# KiCad board panel.kicad_pcb (continued)
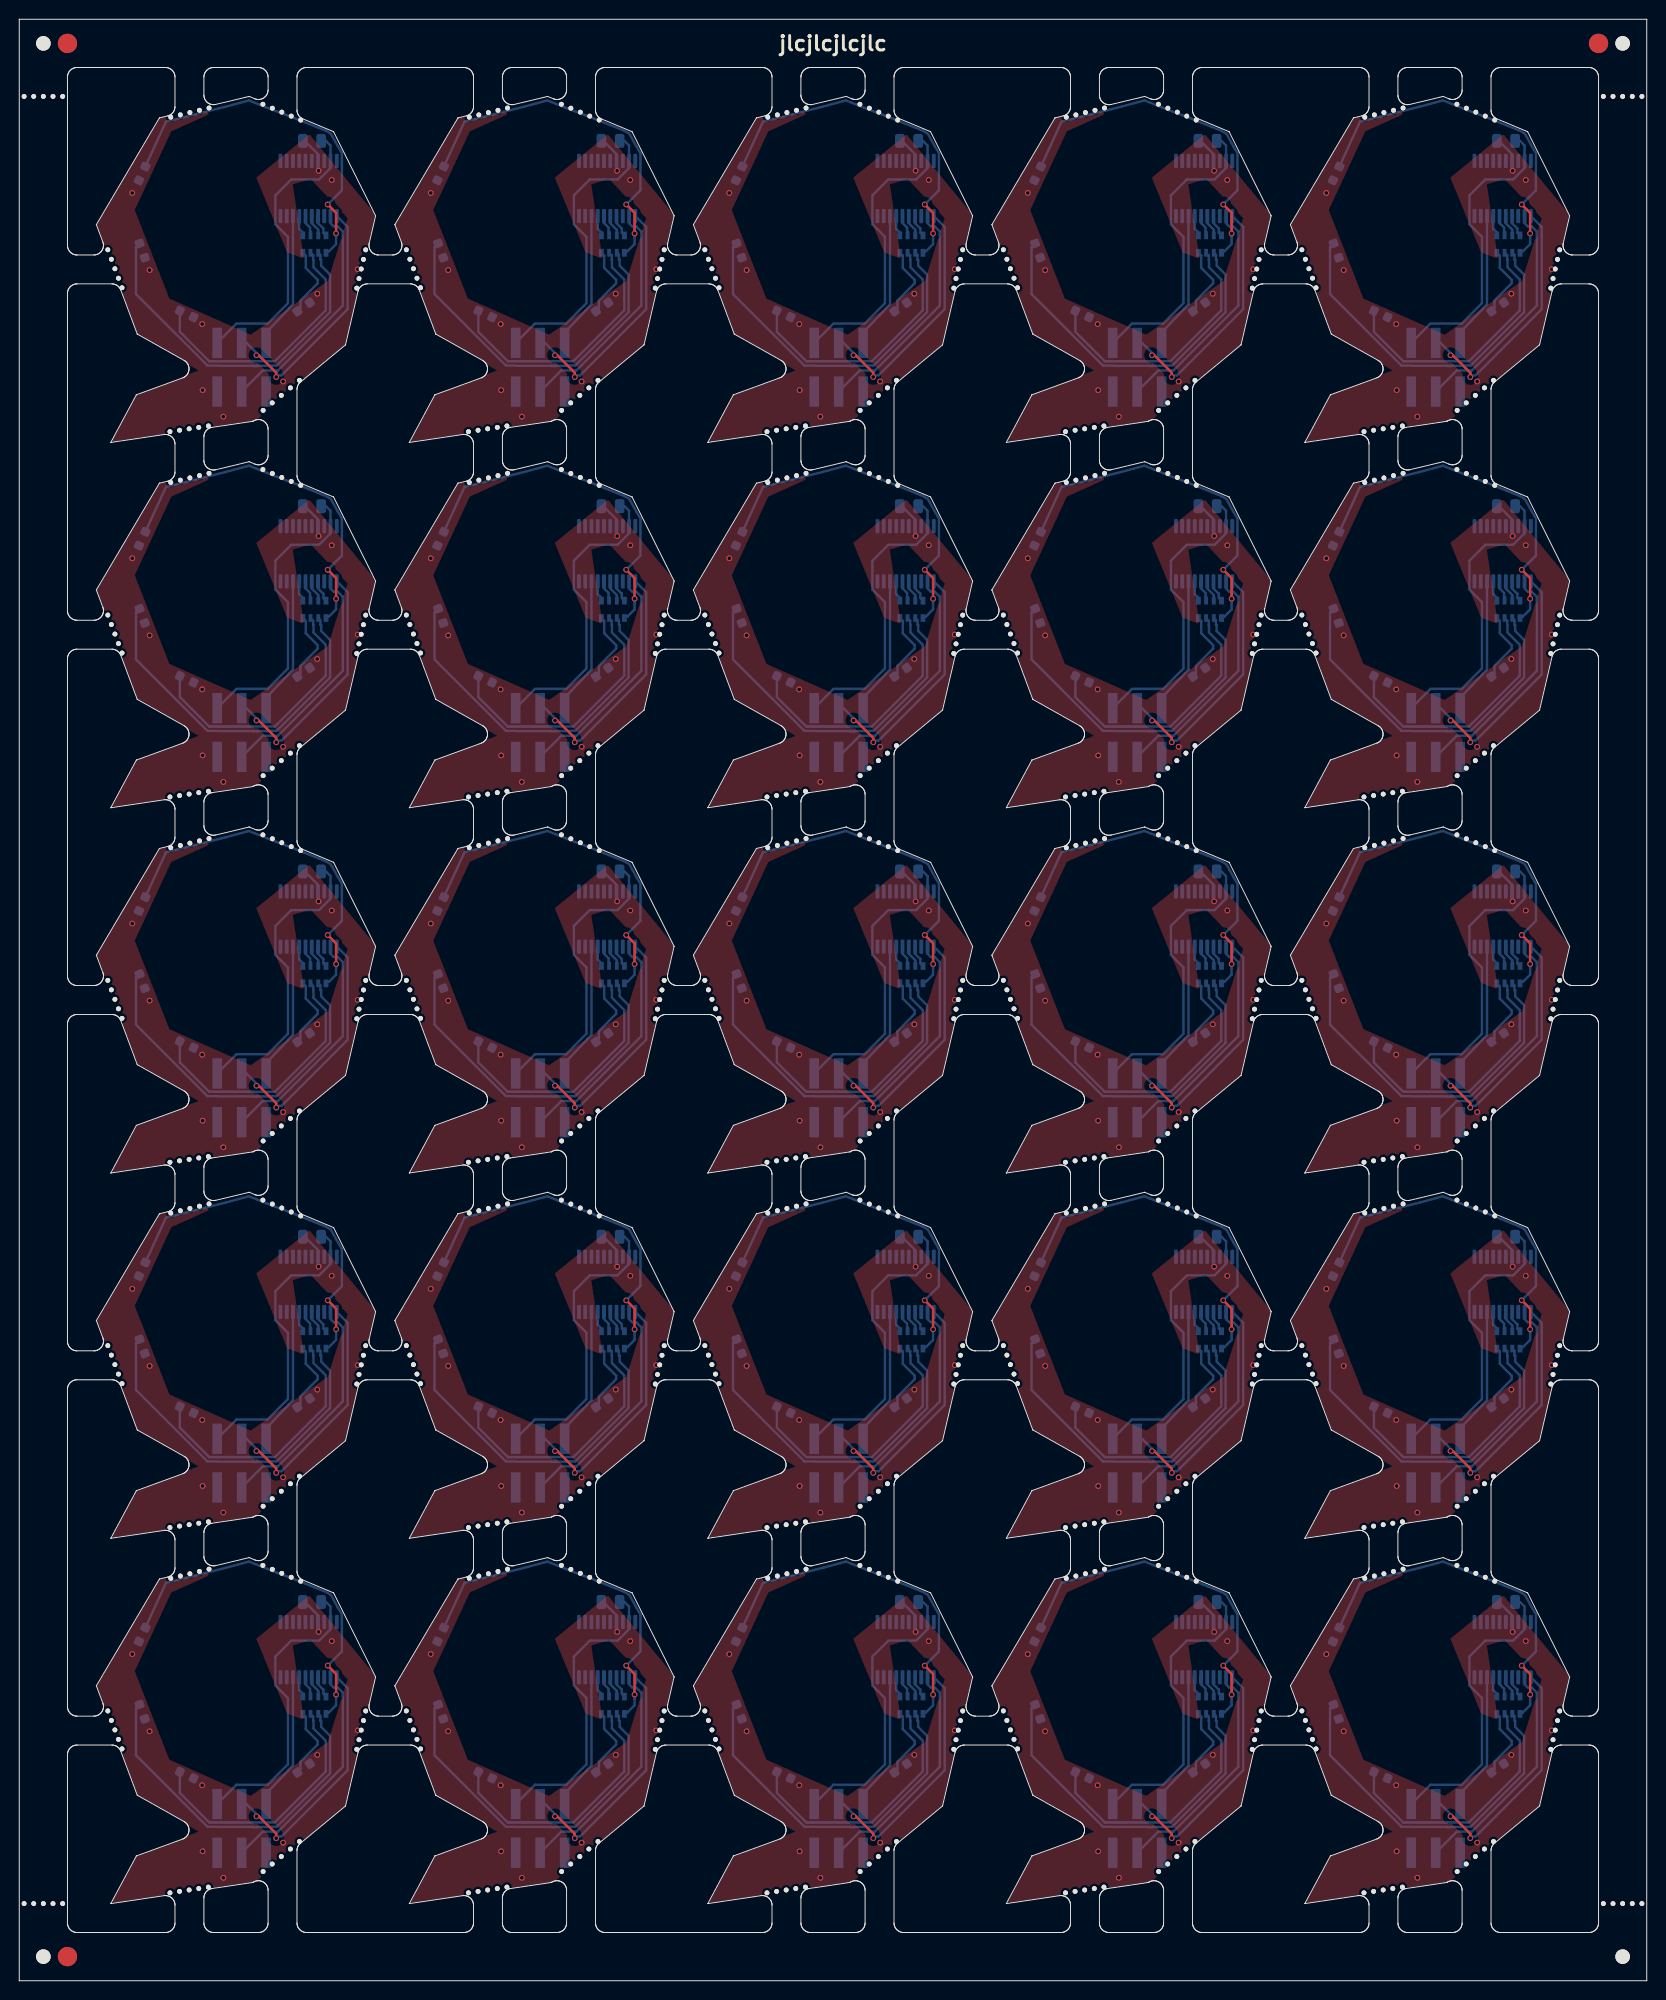
[diagram p0: board, top side]
## Routing (per net, layer and track width the routed paths; a pad name or vN(x,y) marks a point on that pad's centre or on a via; arc(x,y) is an arc through that point) (continued)
Board_9-Net-(D6-A): length 31.9
  Bottom w0.25: RN1#9.3 154.41,141.06 154.41,140.61 154.44,140.61 154.44,139.83 155.71,138.56 155.71,135.36 150.44,130.08 148.14,130.08 ; 148.14,130.08 143.62,130.08 ; 148.14,130.08 143.62,130.08 ; 143.62,130.08 140.57,133.13 D6#13.2
Board_9-Net-(D8-A): length 7.6
  Bottom w0.25: RN1#9.4 153.64,141.03 153.64,139.76 154.87,138.52 154.87,138.16 153.08,136.36 153.08,135.57 D8#23.2
Board_9-SCL: length 24.2
  Bottom w0.25: U1#18.12 156.21,144.39 156.54,144.07 156.95,144.07 157.49,143.53 157.49,135.86 150.75,129.12 149.18,129.12 J1#21.4
Board_9-SDA: length 27
  Top w0.25: v1(150.58,128.45) 150.58,128.89 148.76,130.71 v1(148.53,130.71)
  Bottom w0.25: v1(150.58,128.45) 150.75,128.62 151.12,128.62 157.99,135.48 157.99,144.01 U1#18.11 ; 146.99,133.06 J1#21.3 147.49,131.98 148.53,130.94 v1(148.53,130.71)
Board_9-SWIO: length 14.3
  Bottom w0.25: J1#21.5 149.53,133.06 151.84,135.48 151.9,135.57 152.31,135.98 U1#18.18
Board_9-VCC: length 31.2
  Bottom w0.25: J1#21.1 146.45,133.98 149.67,133.98 151.79,136.1 151.79,142.98 150.49,144.28 150.49,147.28 152.14,148.93 155.02,148.93 156.21,150.12 U1#18.9 156.21,152.46 155.74,152.93 C1#13.2
Board_9-VSS: length 3.9
  Bottom w0.25: v1(154.97,149.83) 154.91,149.9 U1#18.7 154.91,151.56 153.54,152.93 C1#13.1
  vias: v1(135.64,147.53) v1(137.44,139.53) v1(142.89,133.93) v1(142.94,127.08) v1(145.09,124.33) v1(151.29,127.98) v1(154.84,137.08) v1(156.34,148.88) v1(159.04,139.62)
Board_10-A: length 2.4
  Bottom w0.25: U1#9.14 31,106.51 31.54,105.97 31.55,105.97 31.55,105.52 RN1#24.8
Board_10-B: length 2.3
  Bottom w0.25: RN1#24.7 31.03,105.83 30.35,106.51 U1#9.15
Board_10-C: length 2.2
  Bottom w0.25: U1#9.16 29.7,106.52 30.18,106.05 30.18,105.7 30.23,105.65 RN1#24.6
Board_10-D: length 2.2
  Bottom w0.25: RN1#24.5 29.43,105.55 29.05,105.92 U1#9.17
Board_10-Net-(D2-A): length 37.3
  Top w0.25: v1(32.88,105.45) 32.88,107.58 v1(32.01,108.45)
  Bottom w0.25: v1(32.88,105.45) 32.88,104.35 32.13,103.6 31.98,103.6 RN1#24.1 ; v1(32.01,108.45) 33.48,109.92 33.48,113.79 33.08,114.45 32.33,115.8 31.82,116.1 28.33,117.5 26.33,118.25 23.83,119.25 21.43,118.6 15.23,117.05 D2#17.2
Board_10-Net-(D4-A): length 37.6
  Bottom w0.25: RN1#24.2 31.25,103.22 31.25,102.72 31.33,102.72 31.33,102.1 32.25,101.17 32.25,97.28 26.71,91.74 25.75,91.74 25.73,91.72 24.69,91.72 24.66,91.7 24.29,91.7 24.27,91.72 20.63,91.72 ; 20.58,91.74 19.52,91.74 12.11,99.15 12.11,104.04 D4#9.2
Board_10-Net-(D6-A): length 31.9
  Bottom w0.25: 24.23,92.19 19.71,92.19 ; 24.23,92.19 26.53,92.19 31.8,97.47 31.8,100.67 30.53,101.95 30.53,102.72 30.5,102.72 30.5,103.17 RN1#24.3 ; 24.23,92.19 19.71,92.19 ; 19.71,92.19 16.66,95.24 D6#8.2
Board_10-Net-(D8-A): length 7.6
  Bottom w0.25: D8#13.2 29.17,97.68 29.17,98.48 30.96,100.27 30.96,100.63 29.73,101.87 29.73,103.15 RN1#24.4
Board_10-SCL: length 24.2
  Bottom w0.25: U1#9.12 32.3,106.51 32.63,106.18 33.04,106.18 33.58,105.65 33.58,97.97 26.84,91.23 25.27,91.23 J1#18.4
Board_10-SDA: length 27
  Top w0.25: v1(26.67,90.56) 26.67,91.01 24.85,92.82 v1(24.62,92.82)
  Bottom w0.25: U1#9.11 34.08,106.12 34.08,97.6 27.21,90.73 26.84,90.73 v1(26.67,90.56) ; 23.08,95.17 J1#18.3 23.58,94.1 24.62,93.06 v1(24.62,92.82)
Board_10-SWIO: length 14.3
  Bottom w0.25: J1#18.5 25.62,95.17 27.93,97.6 27.99,97.68 28.4,98.1 U1#9.18
Board_10-VCC: length 31.2
  Bottom w0.25: C1#22.2 31.83,115.05 32.3,114.57 U1#9.9 32.3,112.23 31.11,111.05 28.23,111.05 26.58,109.39 26.58,106.4 27.88,105.1 27.88,98.21 25.76,96.1 22.54,96.1 J1#18.1
Board_10-VSS: length 3.9
  Bottom w0.25: v1(31.06,111.95) 31,112.01 U1#9.7 31,113.67 29.63,115.05 C1#22.1
  vias: v1(11.73,109.65) v1(13.53,101.65) v1(18.98,96.05) v1(19.03,89.2) v1(21.18,86.45) v1(27.38,90.1) v1(30.93,99.2) v1(32.43,111) v1(35.13,101.74)
Board_11-A: length 2.4
  Bottom w0.25: U1#22.14 61.98,106.51 62.52,105.97 62.53,105.97 62.53,105.52 RN1#14.8
Board_11-B: length 2.3
  Bottom w0.25: RN1#14.7 62,105.83 61.33,106.51 U1#22.15
Board_11-C: length 2.2
  Bottom w0.25: RN1#14.6 61.2,105.65 61.15,105.7 61.15,106.05 60.68,106.52 U1#22.16
Board_11-D: length 2.2
  Bottom w0.25: U1#22.17 60.03,105.92 60.4,105.55 RN1#14.5
Board_11-Net-(D2-A): length 37.3
  Top w0.25: v1(62.99,108.45) 63.85,107.58 v1(63.85,105.45)
  Bottom w0.25: v1(63.85,105.45) 63.85,104.35 63.1,103.6 62.95,103.6 RN1#14.1 ; v1(62.99,108.45) 64.46,109.92 64.46,113.79 64.05,114.45 63.3,115.8 62.8,116.1 59.3,117.5 57.3,118.25 54.8,119.25 52.4,118.6 46.2,117.05 D2#2.2
Board_11-Net-(D4-A): length 37.6
  Bottom w0.25: RN1#14.2 62.23,103.22 62.23,102.72 62.3,102.72 62.3,102.1 63.23,101.17 63.23,97.28 57.69,91.74 56.73,91.74 56.71,91.72 55.67,91.72 55.64,91.7 55.27,91.7 55.24,91.72 51.6,91.72 ; 51.55,91.74 50.5,91.74 43.09,99.15 43.09,104.04 D4#20.2
Board_11-Net-(D6-A): length 31.9
  Bottom w0.25: RN1#14.3 61.48,103.17 61.48,102.72 61.5,102.72 61.5,101.95 62.78,100.67 62.78,97.47 57.5,92.19 55.2,92.19 ; 55.2,92.19 50.69,92.19 ; 55.2,92.19 50.69,92.19 ; D6#3.2 47.64,95.24 50.69,92.19
Board_11-Net-(D8-A): length 7.6
  Bottom w0.25: D8#3.2 60.15,97.68 60.15,98.48 61.94,100.27 61.94,100.63 60.7,101.87 60.7,103.15 RN1#14.4
Board_11-SCL: length 24.2
  Bottom w0.25: J1#13.4 56.24,91.23 57.82,91.23 64.55,97.97 64.55,105.65 64.02,106.18 63.61,106.18 63.28,106.51 U1#22.12
Board_11-SDA: length 27
  Top w0.25: v1(55.59,92.82) 55.83,92.82 57.64,91.01 v1(57.64,90.56)
  Bottom w0.25: U1#22.11 65.05,106.12 65.05,97.6 58.19,90.73 57.82,90.73 v1(57.64,90.56) ; v1(55.59,92.82) 55.59,93.06 54.55,94.1 J1#13.3 54.05,95.17
Board_11-SWIO: length 14.3
  Bottom w0.25: J1#13.5 56.59,95.17 58.9,97.6 58.96,97.68 59.38,98.1 U1#22.18
Board_11-VCC: length 31.2
  Bottom w0.25: C1#12.2 62.8,115.05 63.28,114.57 U1#22.9 63.28,112.23 62.09,111.05 59.2,111.05 57.55,109.39 57.55,106.4 58.85,105.1 58.85,98.21 56.74,96.1 53.51,96.1 J1#13.1
Board_11-VSS: length 3.9
  Bottom w0.25: C1#12.1 60.6,115.05 61.98,113.67 U1#22.7 61.98,112.01 v1(62.04,111.95)
  vias: v1(42.7,109.65) v1(44.5,101.65) v1(49.95,96.05) v1(50,89.2) v1(52.15,86.45) v1(58.35,90.1) v1(61.9,99.2) v1(63.4,111) v1(66.1,101.74)
Board_12-A: length 2.4
  Bottom w0.25: RN1.8 93.51,105.52 93.51,105.97 93.49,105.97 92.96,106.51 U1#16.14
Board_12-B: length 2.3
  Bottom w0.25: U1#16.15 92.31,106.51 92.98,105.83 RN1.7
Board_12-C: length 2.2
  Bottom w0.25: RN1.6 92.18,105.65 92.13,105.7 92.13,106.05 91.66,106.52 U1#16.16
Board_12-D: length 2.2
  Bottom w0.25: U1#16.17 91.01,105.92 91.38,105.55 RN1.5
Board_12-Net-(D2-A): length 37.3
  Top w0.25: v1(94.83,105.45) 94.83,107.58 v1(93.96,108.45)
  Bottom w0.25: v1(93.96,108.45) 95.43,109.92 95.43,113.79 95.03,114.45 94.28,115.8 93.78,116.1 90.28,117.5 88.28,118.25 85.78,119.25 83.38,118.6 77.18,117.05 D2#21.2 ; RN1.1 93.93,103.6 94.08,103.6 94.83,104.35 v1(94.83,105.45)
Board_12-Net-(D4-A): length 37.6
  Bottom w0.25: D4#18.2 74.07,104.04 74.07,99.15 81.48,91.74 82.53,91.74 ; RN1.2 93.21,103.22 93.21,102.72 93.28,102.72 93.28,102.1 94.21,101.17 94.21,97.28 88.67,91.74 87.71,91.74 87.68,91.72 86.64,91.72 86.62,91.7 86.25,91.7 86.22,91.72 82.58,91.72
Board_12-Net-(D6-A): length 31.9
  Bottom w0.25: 81.67,92.19 86.18,92.19 ; 81.67,92.19 86.18,92.19 ; 81.67,92.19 78.62,95.24 D6#10.2 ; 86.18,92.19 88.48,92.19 93.76,97.47 93.76,100.67 92.48,101.95 92.48,102.72 92.46,102.72 92.46,103.17 RN1.3
Board_12-Net-(D8-A): length 7.6
  Bottom w0.25: D8#25.2 91.13,97.68 91.13,98.48 92.92,100.27 92.92,100.63 91.68,101.87 91.68,103.15 RN1.4
Board_12-SCL: length 24.2
  Bottom w0.25: J1#20.4 87.22,91.23 88.79,91.23 95.53,97.97 95.53,105.65 95,106.18 94.58,106.18 94.26,106.51 U1#16.12
Board_12-SDA: length 27
  Top w0.25: v1(88.62,90.56) 88.62,91.01 86.81,92.82 v1(86.57,92.82)
  Bottom w0.25: U1#16.11 96.03,106.12 96.03,97.6 89.17,90.73 88.8,90.73 v1(88.62,90.56) ; 85.03,95.17 J1#20.3 85.53,94.1 86.57,93.06 v1(86.57,92.82)
Board_12-SWIO: length 14.3
  Bottom w0.25: U1#16.18 90.36,98.1 89.94,97.68 89.88,97.6 87.57,95.17 J1#20.5
Board_12-VCC: length 31.2
  Bottom w0.25: C1#16.2 93.78,115.05 94.26,114.57 U1#16.9 94.26,112.23 93.07,111.05 90.18,111.05 88.53,109.39 88.53,106.4 89.83,105.1 89.83,98.21 87.72,96.1 84.49,96.1 J1#20.1
Board_12-VSS: length 3.9
  Bottom w0.25: v1(93.02,111.95) 92.96,112.01 U1#16.7 92.96,113.67 91.58,115.05 C1#16.1
  vias: v1(73.68,109.65) v1(75.48,101.65) v1(80.93,96.05) v1(80.98,89.2) v1(83.13,86.45) v1(89.33,90.1) v1(92.88,99.2) v1(94.38,111) v1(97.08,101.74)
Board_13-A: length 2.4
  Bottom w0.25: U1#12.14 123.93,106.51 124.47,105.97 124.49,105.97 124.49,105.52 RN1#8.8
Board_13-B: length 2.3
  Bottom w0.25: RN1#8.7 123.96,105.83 123.28,106.51 U1#12.15
Board_13-C: length 2.2
  Bottom w0.25: U1#12.16 122.63,106.52 123.11,106.05 123.11,105.7 123.16,105.65 RN1#8.6
Board_13-D: length 2.2
  Bottom w0.25: U1#12.17 121.98,105.92 122.36,105.55 RN1#8.5
Board_13-Net-(D2-A): length 37.3
  Top w0.25: v1(124.94,108.45) 125.81,107.58 v1(125.81,105.45)
  Bottom w0.25: v1(124.94,108.45) 126.41,109.92 126.41,113.79 126.01,114.45 125.26,115.8 124.76,116.1 121.26,117.5 119.26,118.25 116.76,119.25 114.36,118.6 108.16,117.05 D2#5.2 ; v1(125.81,105.45) 125.81,104.35 125.06,103.6 124.91,103.6 RN1#8.1
Board_13-Net-(D4-A): length 37.6
  Bottom w0.25: 113.56,91.72 117.2,91.72 117.22,91.7 117.6,91.7 117.62,91.72 118.66,91.72 118.69,91.74 119.64,91.74 125.18,97.28 125.18,101.17 124.26,102.1 124.26,102.72 124.18,102.72 124.18,103.22 RN1#8.2 ; 113.51,91.74 112.46,91.74 105.04,99.15 105.04,104.04 D4#8.2
Board_13-Net-(D6-A): length 31.9
  Bottom w0.25: 117.16,92.19 112.64,92.19 ; 117.16,92.19 119.46,92.19 124.73,97.47 124.73,100.67 123.46,101.95 123.46,102.72 123.43,102.72 123.43,103.17 RN1#8.3 ; 117.16,92.19 112.64,92.19 ; D6#2.2 109.6,95.24 112.64,92.19
Board_13-Net-(D8-A): length 7.6
  Bottom w0.25: RN1#8.4 122.66,103.15 122.66,101.87 123.9,100.63 123.9,100.27 122.1,98.48 122.1,97.68 D8#6.2
Board_13-SCL: length 24.2
  Bottom w0.25: U1#12.12 125.23,106.51 125.56,106.18 125.97,106.18 126.51,105.65 126.51,97.97 119.77,91.23 118.2,91.23 J1#15.4
Board_13-SDA: length 27
  Top w0.25: v1(117.55,92.82) 117.79,92.82 119.6,91.01 v1(119.6,90.56)
  Bottom w0.25: v1(117.55,92.82) 117.55,93.06 116.51,94.1 J1#15.3 116.01,95.17 ; v1(119.6,90.56) 119.77,90.73 120.15,90.73 127.01,97.6 127.01,106.12 U1#12.11
Board_13-SWIO: length 14.3
  Bottom w0.25: J1#15.5 118.55,95.17 120.86,97.6 120.92,97.68 121.33,98.1 U1#12.18
Board_13-VCC: length 31.2
  Bottom w0.25: C1#15.2 124.76,115.05 125.23,114.57 U1#12.9 125.23,112.23 124.05,111.05 121.16,111.05 119.51,109.39 119.51,106.4 120.81,105.1 120.81,98.21 118.7,96.1 115.47,96.1 J1#15.1
Board_13-VSS: length 3.9
  Bottom w0.25: v1(124,111.95) 123.93,112.01 U1#12.7 123.93,113.67 122.56,115.05 C1#15.1
  vias: v1(104.66,109.65) v1(106.46,101.65) v1(111.91,96.05) v1(111.96,89.2) v1(114.11,86.45) v1(120.31,90.1) v1(123.86,99.2) v1(125.36,111) v1(128.06,101.74)
Board_14-A: length 2.4
  Bottom w0.25: RN1#13.8 155.46,105.52 155.46,105.97 155.45,105.97 154.91,106.51 U1#25.14
Board_14-B: length 2.3
  Bottom w0.25: U1#25.15 154.26,106.51 154.94,105.83 RN1#13.7
Board_14-C: length 2.2
  Bottom w0.25: RN1#13.6 154.14,105.65 154.09,105.7 154.09,106.05 153.61,106.52 U1#25.16
Board_14-D: length 2.2
  Bottom w0.25: U1#25.17 152.96,105.92 153.34,105.55 RN1#13.5
Board_14-Net-(D2-A): length 37.3
  Top w0.25: v1(155.92,108.45) 156.79,107.58 v1(156.79,105.45)
  Bottom w0.25: v1(155.92,108.45) 157.39,109.92 157.39,113.79 156.99,114.45 156.24,115.8 155.73,116.1 152.24,117.5 150.24,118.25 147.74,119.25 145.34,118.6 139.14,117.05 D2#8.2 ; RN1#13.1 155.89,103.6 156.04,103.6 156.79,104.35 v1(156.79,105.45)
Board_14-Net-(D4-A): length 37.6
  Bottom w0.25: D4#16.2 136.02,104.04 136.02,99.15 143.43,91.74 144.49,91.74 ; RN1#13.2 155.16,103.22 155.16,102.72 155.24,102.72 155.24,102.1 156.16,101.17 156.16,97.28 150.62,91.74 149.66,91.74 149.64,91.72 148.6,91.72 148.57,91.7 148.2,91.7 148.18,91.72 144.54,91.72
Board_14-Net-(D6-A): length 31.9
  Bottom w0.25: 148.14,92.19 150.44,92.19 155.71,97.47 155.71,100.67 154.44,101.95 154.44,102.72 154.41,102.72 154.41,103.17 RN1#13.3 ; 148.14,92.19 143.62,92.19 ; 148.14,92.19 143.62,92.19 ; D6#24.2 140.57,95.24 143.62,92.19
Board_14-Net-(D8-A): length 7.6
  Bottom w0.25: RN1#13.4 153.64,103.15 153.64,101.87 154.87,100.63 154.87,100.27 153.08,98.48 153.08,97.68 D8#19.2
Board_14-SCL: length 24.2
  Bottom w0.25: J1#9.4 149.18,91.23 150.75,91.23 157.49,97.97 157.49,105.65 156.95,106.18 156.54,106.18 156.21,106.51 U1#25.12
Board_14-SDA: length 27
  Top w0.25: v1(148.53,92.82) 148.76,92.82 150.58,91.01 v1(150.58,90.56)
  Bottom w0.25: v1(148.53,92.82) 148.53,93.06 147.49,94.1 J1#9.3 146.99,95.17 ; v1(150.58,90.56) 150.75,90.73 151.12,90.73 157.99,97.6 157.99,106.12 U1#25.11
Board_14-SWIO: length 14.3
  Bottom w0.25: U1#25.18 152.31,98.1 151.9,97.68 151.84,97.6 149.53,95.17 J1#9.5
Board_14-VCC: length 31.2
  Bottom w0.25: J1#9.1 146.45,96.1 149.67,96.1 151.79,98.21 151.79,105.1 150.49,106.4 150.49,109.39 152.14,111.05 155.02,111.05 156.21,112.23 U1#25.9 156.21,114.57 155.74,115.05 C1#2.2
Board_14-VSS: length 3.9
  Bottom w0.25: C1#2.1 153.54,115.05 154.91,113.67 U1#25.7 154.91,112.01 v1(154.97,111.95)
  vias: v1(135.64,109.65) v1(137.44,101.65) v1(142.89,96.05) v1(142.94,89.2) v1(145.09,86.45) v1(151.29,90.1) v1(154.84,99.2) v1(156.34,111) v1(159.04,101.74)
Board_15-A: length 2.4
  Bottom w0.25: RN1#3.8 31.55,67.63 31.55,68.09 31.54,68.09 31,68.62 U1#5.14
Board_15-B: length 2.3
  Bottom w0.25: RN1#3.7 31.03,67.95 30.35,68.62 U1#5.15
Board_15-C: length 2.2
  Bottom w0.25: U1#5.16 29.7,68.63 30.18,68.16 30.18,67.81 30.23,67.76 RN1#3.6
Board_15-D: length 2.2
  Bottom w0.25: RN1#3.5 29.43,67.66 29.05,68.03 U1#5.17
Board_15-Net-(D2-A): length 37.3
  Top w0.25: v1(32.88,67.56) 32.88,69.7 v1(32.01,70.57)
  Bottom w0.25: D2#9.2 15.23,79.16 21.43,80.71 23.83,81.36 26.33,80.36 28.33,79.61 31.82,78.21 32.33,77.91 33.08,76.56 33.48,75.9 33.48,72.04 v1(32.01,70.57) ; v1(32.88,67.56) 32.88,66.46 32.13,65.71 31.98,65.71 RN1#3.1
Board_15-Net-(D4-A): length 37.6
  Bottom w0.25: 20.63,53.83 24.27,53.83 24.29,53.81 24.66,53.81 24.69,53.83 25.73,53.83 25.75,53.86 26.71,53.86 32.25,59.4 32.25,63.28 31.33,64.21 31.33,64.83 31.25,64.83 31.25,65.34 RN1#3.2 ; D4#23.2 12.11,66.15 12.11,61.27 19.52,53.86 20.58,53.86
Board_15-Net-(D6-A): length 31.9
  Bottom w0.25: RN1#3.3 30.5,65.29 30.5,64.83 30.53,64.83 30.53,64.06 31.8,62.79 31.8,59.58 26.53,54.31 24.23,54.31 ; 19.71,54.31 16.66,57.36 D6#14.2 ; 19.71,54.31 24.23,54.31 ; 19.71,54.31 24.23,54.31
Board_15-Net-(D8-A): length 7.6
  Bottom w0.25: D8#10.2 29.17,59.8 29.17,60.59 30.96,62.38 30.96,62.75 29.73,63.98 29.73,65.26 RN1#3.4
Board_15-SCL: length 24.2
  Bottom w0.25: U1#5.12 32.3,68.62 32.63,68.3 33.04,68.3 33.58,67.76 33.58,60.09 26.84,53.35 25.27,53.35 J1#25.4
Board_15-SDA: length 27
  Top w0.25: v1(26.67,52.67) 26.67,53.12 24.85,54.93 v1(24.62,54.93)
  Bottom w0.25: 23.08,57.28 J1#25.3 23.58,56.21 24.62,55.17 v1(24.62,54.93) ; U1#5.11 34.08,68.23 34.08,59.71 27.21,52.85 26.84,52.85 v1(26.67,52.67)
Board_15-SWIO: length 14.3
  Bottom w0.25: U1#5.18 28.4,60.21 27.99,59.79 27.93,59.71 25.62,57.28 J1#25.5
Board_15-VCC: length 31.2
  Bottom w0.25: C1#24.2 31.83,77.16 32.3,76.68 U1#5.9 32.3,74.35 31.11,73.16 28.23,73.16 26.58,71.51 26.58,68.51 27.88,67.21 27.88,60.32 25.76,58.21 22.54,58.21 J1#25.1
Board_15-VSS: length 3.9
  Bottom w0.25: C1#24.1 29.63,77.16 31,75.78 U1#5.7 31,74.12 v1(31.06,74.06)
  vias: v1(11.73,71.76) v1(13.53,63.76) v1(18.98,58.16) v1(19.03,51.31) v1(21.18,48.56) v1(27.38,52.21) v1(30.93,61.31) v1(32.43,73.11) v1(35.13,63.85)
Board_16-A: length 2.4
  Bottom w0.25: U1#23.14 61.98,68.62 62.52,68.09 62.53,68.09 62.53,67.63 RN1#18.8
Board_16-B: length 2.3
  Bottom w0.25: U1#23.15 61.33,68.62 62,67.95 RN1#18.7
Board_16-C: length 2.2
  Bottom w0.25: RN1#18.6 61.2,67.76 61.15,67.81 61.15,68.16 60.68,68.63 U1#23.16
Board_16-D: length 2.2
  Bottom w0.25: RN1#18.5 60.4,67.66 60.03,68.03 U1#23.17
Board_16-Net-(D2-A): length 37.3
  Top w0.25: v1(62.99,70.57) 63.85,69.7 v1(63.85,67.56)
  Bottom w0.25: RN1#18.1 62.95,65.71 63.1,65.71 63.85,66.46 v1(63.85,67.56) ; D2#23.2 46.2,79.16 52.4,80.71 54.8,81.36 57.3,80.36 59.3,79.61 62.8,78.21 63.3,77.91 64.05,76.56 64.46,75.9 64.46,72.04 v1(62.99,70.57)
Board_16-Net-(D4-A): length 37.6
  Bottom w0.25: RN1#18.2 62.23,65.34 62.23,64.83 62.3,64.83 62.3,64.21 63.23,63.28 63.23,59.4 57.69,53.86 56.73,53.86 56.71,53.83 55.67,53.83 55.64,53.81 55.27,53.81 55.24,53.83 51.6,53.83 ; D4#17.2 43.09,66.15 43.09,61.27 50.5,53.86 51.55,53.86
Board_16-Net-(D6-A): length 31.9
  Bottom w0.25: 55.2,54.31 50.69,54.31 ; 55.2,54.31 57.5,54.31 62.78,59.58 62.78,62.79 61.5,64.06 61.5,64.83 61.48,64.83 61.48,65.29 RN1#18.3 ; 55.2,54.31 50.69,54.31 ; 50.69,54.31 47.64,57.36 D6#16.2
Board_16-Net-(D8-A): length 7.6
  Bottom w0.25: RN1#18.4 60.7,65.26 60.7,63.98 61.94,62.75 61.94,62.38 60.15,60.59 60.15,59.8 D8#5.2
Board_16-SCL: length 24.2
  Bottom w0.25: J1#16.4 56.24,53.35 57.82,53.35 64.55,60.09 64.55,67.76 64.02,68.3 63.61,68.3 63.28,68.62 U1#23.12
Board_16-SDA: length 27
  Top w0.25: v1(55.59,54.93) 55.83,54.93 57.64,53.12 v1(57.64,52.67)
  Bottom w0.25: v1(55.59,54.93) 55.59,55.17 54.55,56.21 J1#16.3 54.05,57.28 ; v1(57.64,52.67) 57.82,52.85 58.19,52.85 65.05,59.71 65.05,68.23 U1#23.11
Board_16-SWIO: length 14.3
  Bottom w0.25: U1#23.18 59.38,60.21 58.96,59.79 58.9,59.71 56.59,57.28 J1#16.5
Board_16-VCC: length 31.2
  Bottom w0.25: C1#18.2 62.8,77.16 63.28,76.68 U1#23.9 63.28,74.35 62.09,73.16 59.2,73.16 57.55,71.51 57.55,68.51 58.85,67.21 58.85,60.32 56.74,58.21 53.51,58.21 J1#16.1
Board_16-VSS: length 3.9
  Bottom w0.25: v1(62.04,74.06) 61.98,74.12 U1#23.7 61.98,75.78 60.6,77.16 C1#18.1
  vias: v1(42.7,71.76) v1(44.5,63.76) v1(49.95,58.16) v1(50,51.31) v1(52.15,48.56) v1(58.35,52.21) v1(61.9,61.31) v1(63.4,73.11) v1(66.1,63.85)
Board_17-A: length 2.4
  Bottom w0.25: RN1#2.8 93.51,67.63 93.51,68.09 93.49,68.09 92.96,68.62 U1#19.14
Board_17-B: length 2.3
  Bottom w0.25: RN1#2.7 92.98,67.95 92.31,68.62 U1#19.15
Board_17-C: length 2.2
  Bottom w0.25: U1#19.16 91.66,68.63 92.13,68.16 92.13,67.81 92.18,67.76 RN1#2.6
Board_17-D: length 2.2
  Bottom w0.25: U1#19.17 91.01,68.03 91.38,67.66 RN1#2.5
Board_17-Net-(D2-A): length 37.3
  Top w0.25: v1(94.83,67.56) 94.83,69.7 v1(93.96,70.57)
  Bottom w0.25: v1(94.83,67.56) 94.83,66.46 94.08,65.71 93.93,65.71 RN1#2.1 ; v1(93.96,70.57) 95.43,72.04 95.43,75.9 95.03,76.56 94.28,77.91 93.78,78.21 90.28,79.61 88.28,80.36 85.78,81.36 83.38,80.71 77.18,79.16 D2#20.2
Board_17-Net-(D4-A): length 37.6
  Bottom w0.25: RN1#2.2 93.21,65.34 93.21,64.83 93.28,64.83 93.28,64.21 94.21,63.28 94.21,59.4 88.67,53.86 87.71,53.86 87.68,53.83 86.64,53.83 86.62,53.81 86.25,53.81 86.22,53.83 82.58,53.83 ; 82.53,53.86 81.48,53.86 74.07,61.27 74.07,66.15 D4#13.2
Board_17-Net-(D6-A): length 31.9
  Bottom w0.25: D6#12.2 78.62,57.36 81.67,54.31 ; 86.18,54.31 88.48,54.31 93.76,59.58 93.76,62.79 92.48,64.06 92.48,64.83 92.46,64.83 92.46,65.29 RN1#2.3 ; 86.18,54.31 81.67,54.31 ; 86.18,54.31 81.67,54.31
Board_17-Net-(D8-A): length 7.6
  Bottom w0.25: D8#8.2 91.13,59.8 91.13,60.59 92.92,62.38 92.92,62.75 91.68,63.98 91.68,65.26 RN1#2.4
Board_17-SCL: length 24.2
  Bottom w0.25: U1#19.12 94.26,68.62 94.58,68.3 95,68.3 95.53,67.76 95.53,60.09 88.79,53.35 87.22,53.35 J1#10.4
Board_17-SDA: length 27
  Top w0.25: v1(86.57,54.93) 86.81,54.93 88.62,53.12 v1(88.62,52.67)
  Bottom w0.25: U1#19.11 96.03,68.23 96.03,59.71 89.17,52.85 88.8,52.85 v1(88.62,52.67) ; 85.03,57.28 J1#10.3 85.53,56.21 86.57,55.17 v1(86.57,54.93)
Board_17-SWIO: length 14.3
  Bottom w0.25: J1#10.5 87.57,57.28 89.88,59.71 89.94,59.79 90.36,60.21 U1#19.18
Board_17-VCC: length 31.2
  Bottom w0.25: C1#21.2 93.78,77.16 94.26,76.68 U1#19.9 94.26,74.35 93.07,73.16 90.18,73.16 88.53,71.51 88.53,68.51 89.83,67.21 89.83,60.32 87.72,58.21 84.49,58.21 J1#10.1
Board_17-VSS: length 3.9
  Bottom w0.25: v1(93.02,74.06) 92.96,74.12 U1#19.7 92.96,75.78 91.58,77.16 C1#21.1
  vias: v1(73.68,71.76) v1(75.48,63.76) v1(80.93,58.16) v1(80.98,51.31) v1(83.13,48.56) v1(89.33,52.21) v1(92.88,61.31) v1(94.38,73.11) v1(97.08,63.85)
Board_18-A: length 2.4
  Bottom w0.25: U1#7.14 123.93,68.62 124.47,68.09 124.49,68.09 124.49,67.63 RN1#15.8
Board_18-B: length 2.3
  Bottom w0.25: RN1#15.7 123.96,67.95 123.28,68.62 U1#7.15
Board_18-C: length 2.2
  Bottom w0.25: RN1#15.6 123.16,67.76 123.11,67.81 123.11,68.16 122.63,68.63 U1#7.16
Board_18-D: length 2.2
  Bottom w0.25: RN1#15.5 122.36,67.66 121.98,68.03 U1#7.17
Board_18-Net-(D2-A): length 37.3
  Top w0.25: v1(125.81,67.56) 125.81,69.7 v1(124.94,70.57)
  Bottom w0.25: v1(124.94,70.57) 126.41,72.04 126.41,75.9 126.01,76.56 125.26,77.91 124.76,78.21 121.26,79.61 119.26,80.36 116.76,81.36 114.36,80.71 108.16,79.16 D2#25.2 ; v1(125.81,67.56) 125.81,66.46 125.06,65.71 124.91,65.71 RN1#15.1
Board_18-Net-(D4-A): length 37.6
  Bottom w0.25: 113.51,53.86 112.46,53.86 105.04,61.27 105.04,66.15 D4#19.2 ; 113.56,53.83 117.2,53.83 117.22,53.81 117.6,53.81 117.62,53.83 118.66,53.83 118.69,53.86 119.64,53.86 125.18,59.4 125.18,63.28 124.26,64.21 124.26,64.83 124.18,64.83 124.18,65.34 RN1#15.2
Board_18-Net-(D6-A): length 31.9
  Bottom w0.25: 117.16,54.31 119.46,54.31 124.73,59.58 124.73,62.79 123.46,64.06 123.46,64.83 123.43,64.83 123.43,65.29 RN1#15.3 ; 117.16,54.31 112.64,54.31 ; 117.16,54.31 112.64,54.31 ; 112.64,54.31 109.6,57.36 D6#7.2
Board_18-Net-(D8-A): length 7.6
  Bottom w0.25: D8.2 122.1,59.8 122.1,60.59 123.9,62.38 123.9,62.75 122.66,63.98 122.66,65.26 RN1#15.4
Board_18-SCL: length 24.2
  Bottom w0.25: U1#7.12 125.23,68.62 125.56,68.3 125.97,68.3 126.51,67.76 126.51,60.09 119.77,53.35 118.2,53.35 J1#6.4
Board_18-SDA: length 27
  Top w0.25: v1(119.6,52.67) 119.6,53.12 117.79,54.93 v1(117.55,54.93)
  Bottom w0.25: 116.01,57.28 J1#6.3 116.51,56.21 117.55,55.17 v1(117.55,54.93) ; U1#7.11 127.01,68.23 127.01,59.71 120.15,52.85 119.77,52.85 v1(119.6,52.67)
Board_18-SWIO: length 14.3
  Bottom w0.25: J1#6.5 118.55,57.28 120.86,59.71 120.92,59.79 121.33,60.21 U1#7.18
Board_18-VCC: length 31.2
  Bottom w0.25: J1#6.1 115.47,58.21 118.7,58.21 120.81,60.32 120.81,67.21 119.51,68.51 119.51,71.51 121.16,73.16 124.05,73.16 125.23,74.35 U1#7.9 125.23,76.68 124.76,77.16 C1#5.2
Board_18-VSS: length 3.9
  Bottom w0.25: v1(124,74.06) 123.93,74.12 U1#7.7 123.93,75.78 122.56,77.16 C1#5.1
  vias: v1(104.66,71.76) v1(106.46,63.76) v1(111.91,58.16) v1(111.96,51.31) v1(114.11,48.56) v1(120.31,52.21) v1(123.86,61.31) v1(125.36,73.11) v1(128.06,63.85)
Board_19-A: length 2.4
  Bottom w0.25: U1#21.14 154.91,68.62 155.45,68.09 155.46,68.09 155.46,67.63 RN1#16.8
Board_19-B: length 2.3
  Bottom w0.25: RN1#16.7 154.94,67.95 154.26,68.62 U1#21.15
Board_19-C: length 2.2
  Bottom w0.25: RN1#16.6 154.14,67.76 154.09,67.81 154.09,68.16 153.61,68.63 U1#21.16
Board_19-D: length 2.2
  Bottom w0.25: U1#21.17 152.96,68.03 153.34,67.66 RN1#16.5
Board_19-Net-(D2-A): length 37.3
  Top w0.25: v1(156.79,67.56) 156.79,69.7 v1(155.92,70.57)
  Bottom w0.25: v1(156.79,67.56) 156.79,66.46 156.04,65.71 155.89,65.71 RN1#16.1 ; v1(155.92,70.57) 157.39,72.04 157.39,75.9 156.99,76.56 156.24,77.91 155.73,78.21 152.24,79.61 150.24,80.36 147.74,81.36 145.34,80.71 139.14,79.16 D2#16.2
Board_19-Net-(D4-A): length 37.6
  Bottom w0.25: 144.49,53.86 143.43,53.86 136.02,61.27 136.02,66.15 D4#24.2 ; RN1#16.2 155.16,65.34 155.16,64.83 155.24,64.83 155.24,64.21 156.16,63.28 156.16,59.4 150.62,53.86 149.66,53.86 149.64,53.83 148.6,53.83 148.57,53.81 148.2,53.81 148.18,53.83 144.54,53.83
Board_19-Net-(D6-A): length 31.9
  Bottom w0.25: 148.14,54.31 150.44,54.31 155.71,59.58 155.71,62.79 154.44,64.06 154.44,64.83 154.41,64.83 154.41,65.29 RN1#16.3 ; 148.14,54.31 143.62,54.31 ; 148.14,54.31 143.62,54.31 ; D6#23.2 140.57,57.36 143.62,54.31
Board_19-Net-(D8-A): length 7.6
  Bottom w0.25: RN1#16.4 153.64,65.26 153.64,63.98 154.87,62.75 154.87,62.38 153.08,60.59 153.08,59.8 D8#21.2
Board_19-SCL: length 24.2
  Bottom w0.25: U1#21.12 156.21,68.62 156.54,68.3 156.95,68.3 157.49,67.76 157.49,60.09 150.75,53.35 149.18,53.35 J1#4.4
Board_19-SDA: length 27
  Top w0.25: v1(150.58,52.67) 150.58,53.12 148.76,54.93 v1(148.53,54.93)
  Bottom w0.25: v1(150.58,52.67) 150.75,52.85 151.12,52.85 157.99,59.71 157.99,68.23 U1#21.11 ; 146.99,57.28 J1#4.3 147.49,56.21 148.53,55.17 v1(148.53,54.93)
Board_19-SWIO: length 14.3
  Bottom w0.25: J1#4.5 149.53,57.28 151.84,59.71 151.9,59.79 152.31,60.21 U1#21.18
Board_19-VCC: length 31.2
  Bottom w0.25: C1#11.2 155.74,77.16 156.21,76.68 U1#21.9 156.21,74.35 155.02,73.16 152.14,73.16 150.49,71.51 150.49,68.51 151.79,67.21 151.79,60.32 149.67,58.21 146.45,58.21 J1#4.1
Board_19-VSS: length 3.9
  Bottom w0.25: C1#11.1 153.54,77.16 154.91,75.78 U1#21.7 154.91,74.12 v1(154.97,74.06)
  vias: v1(135.64,71.76) v1(137.44,63.76) v1(142.89,58.16) v1(142.94,51.31) v1(145.09,48.56) v1(151.29,52.21) v1(154.84,61.31) v1(156.34,73.11) v1(159.04,63.85)